# KiCad board KeeNoard-SMD.kicad_pcb
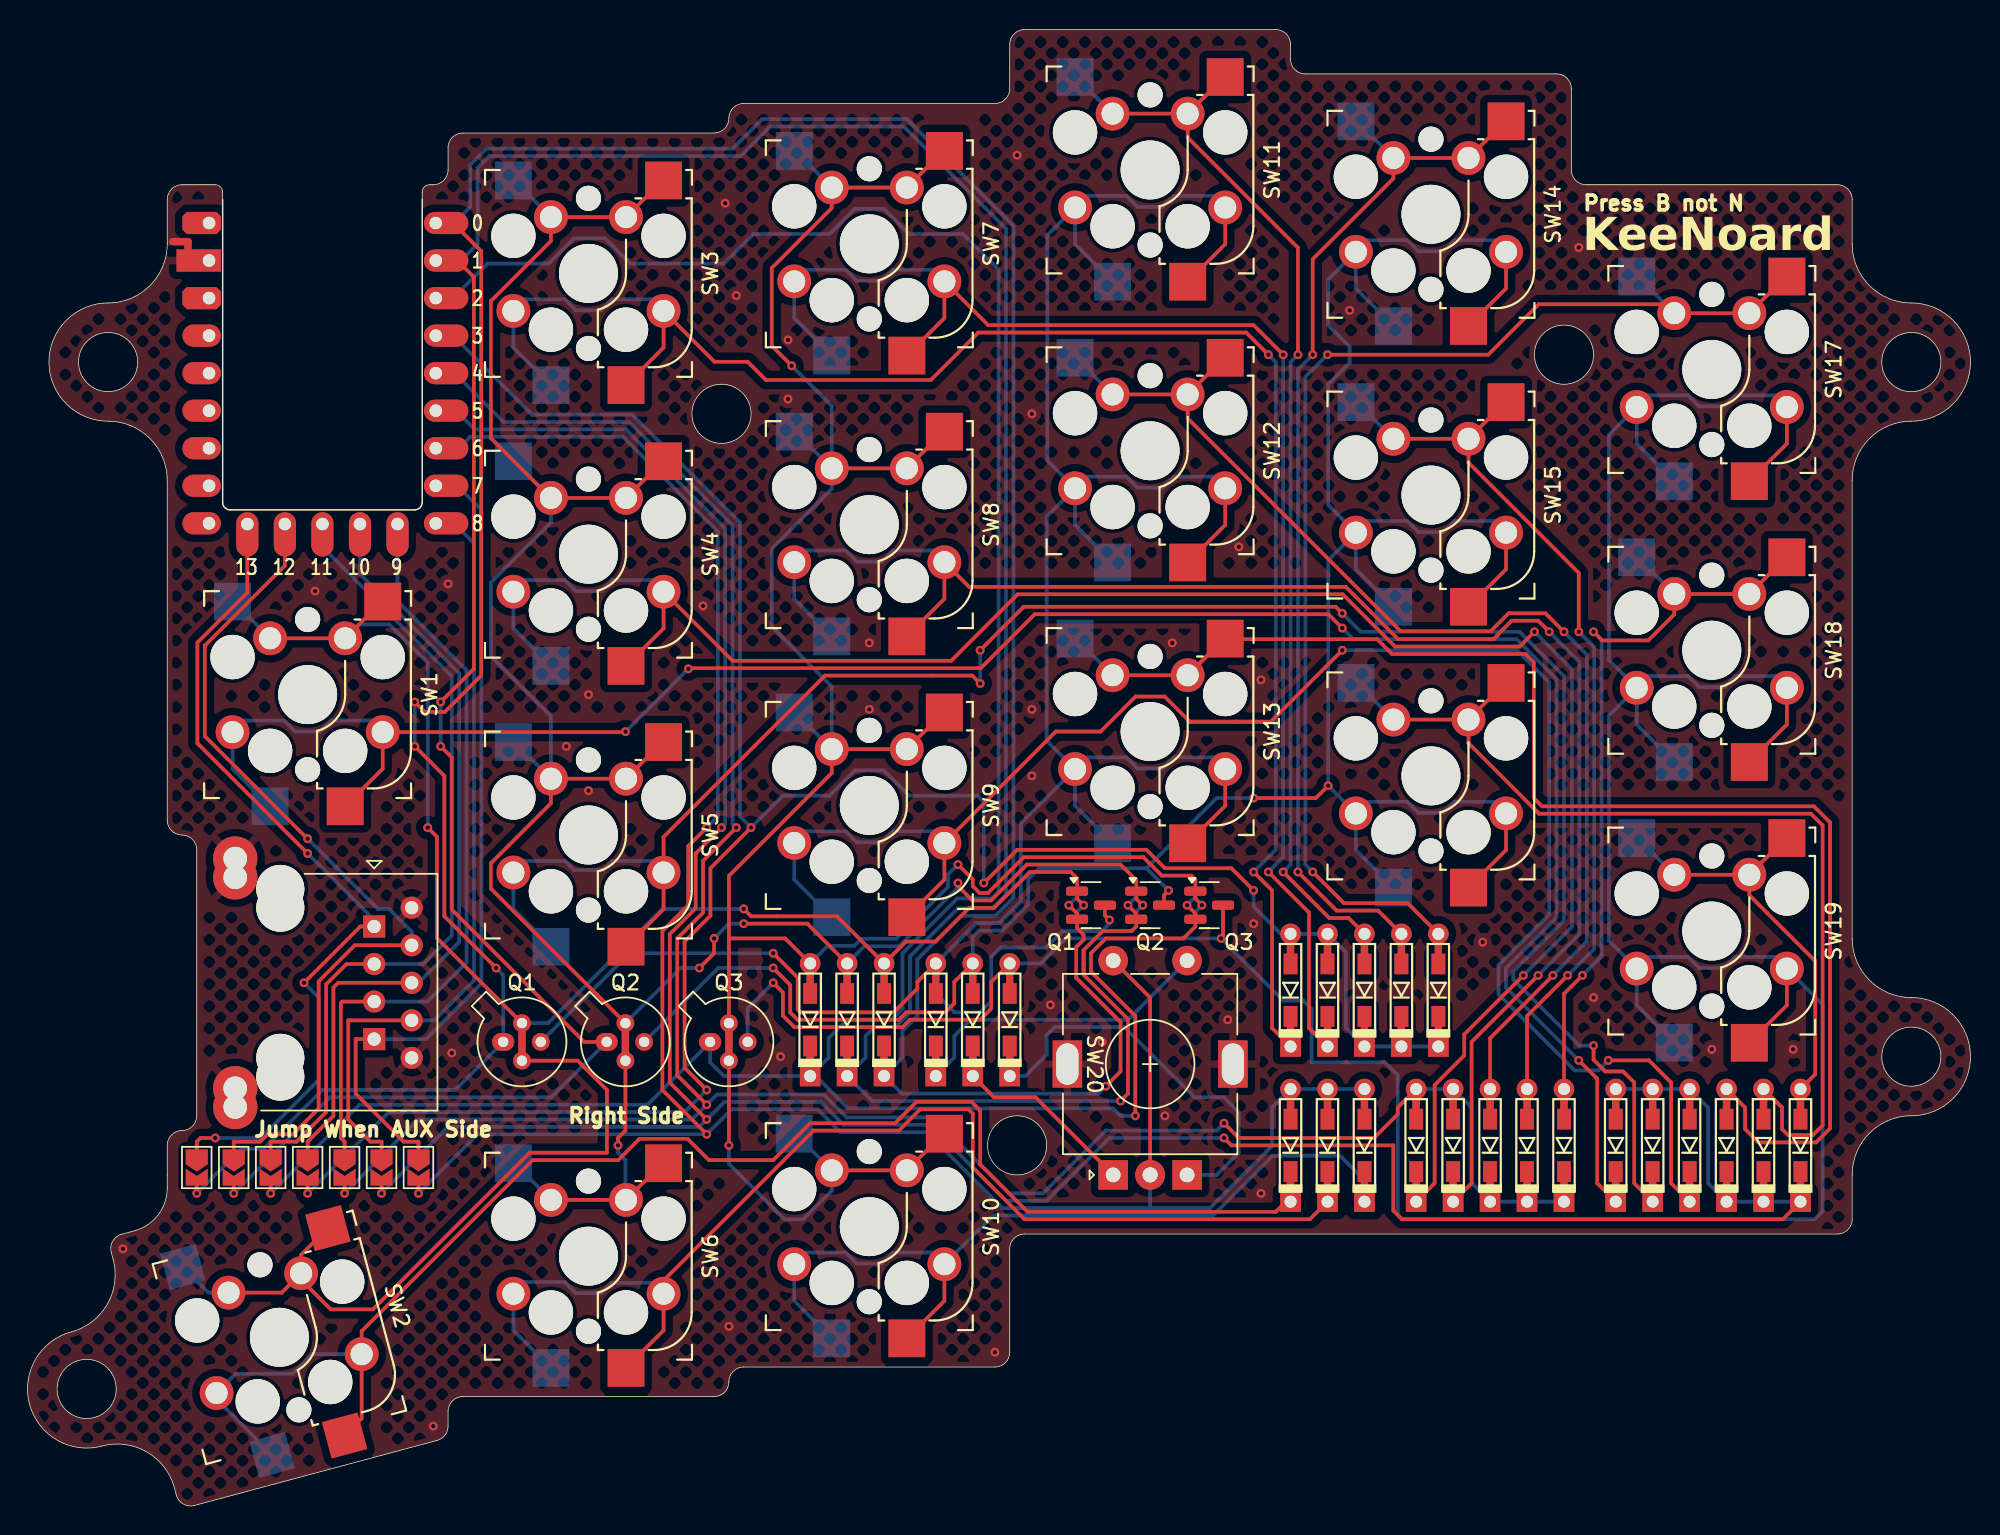
[diagram p0: board, top side]
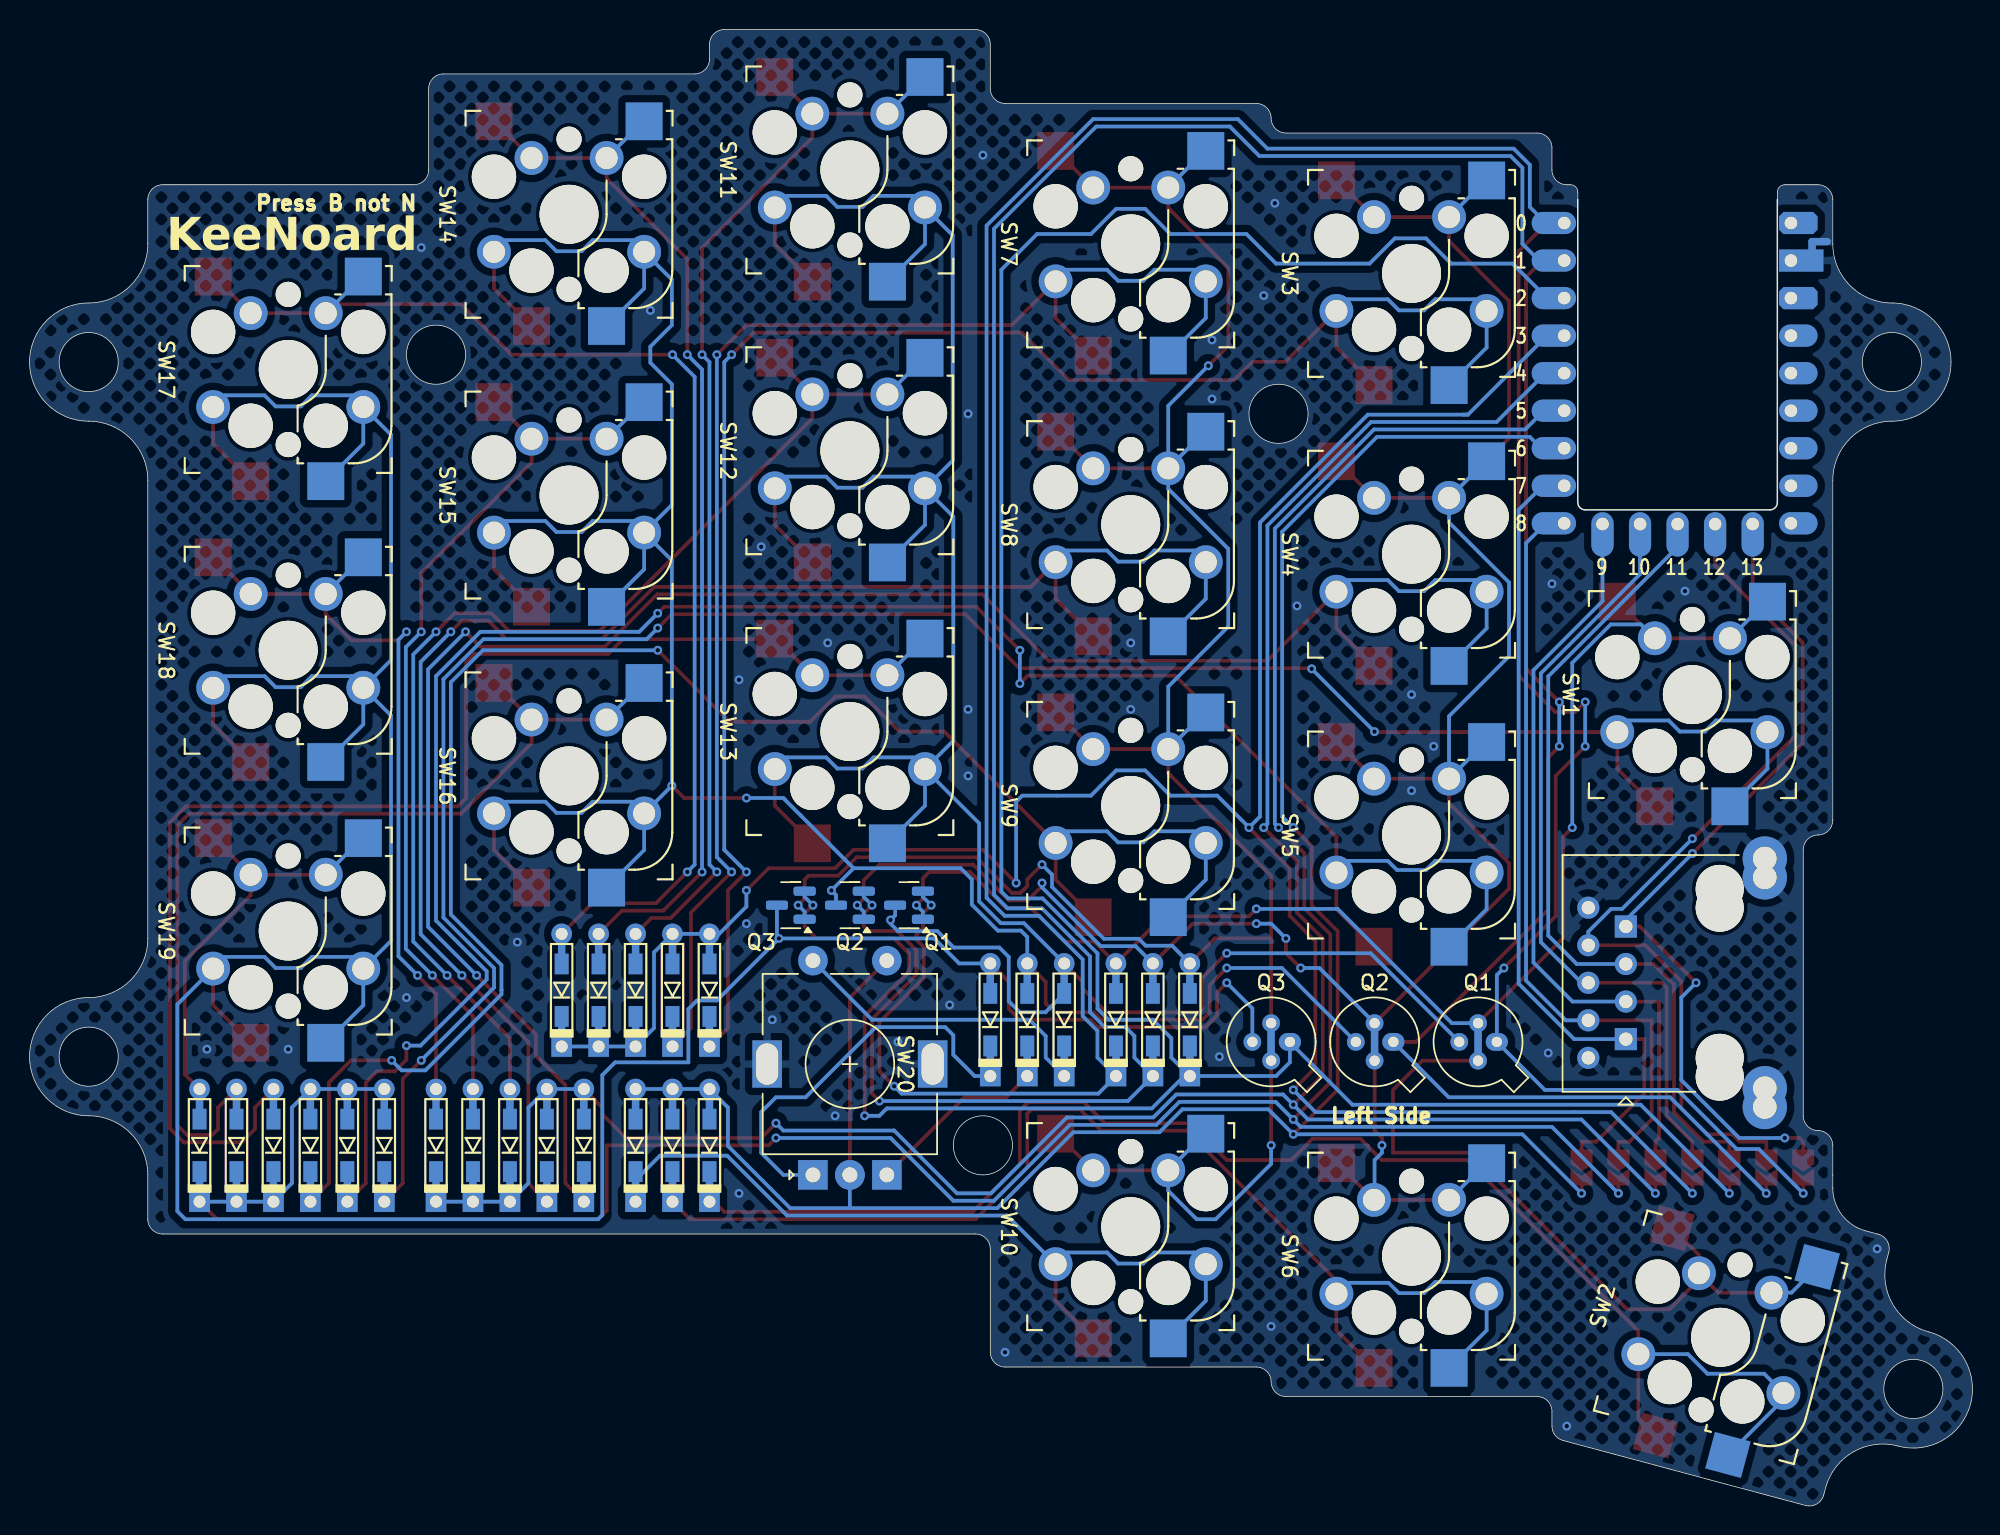
[diagram p1: board, bottom side, seen from below]

Outline 131.45 x 99.9 mm; copper layers: Top, Bottom. Coordinates in mm from the lower left corner of the outline.
Outline path: circle c4,7.92 r2 ; circle c5.45,77.4 r2 ; circle c46.95,73.9 r2 ; circle c66.95,24.4 r2 ; circle c103.95,77.9 r2 ; circle c127.45,77.4 r2 ; circle c127.45,30.4 r2 ; 13.2,88.4 13.2,88.9 arc(13.05,89.25) 12.7,89.4 10.45,89.4 arc(9.74,89.11) 9.45,88.4 9.45,85.4 arc(8.28,82.57) 5.45,81.4 arc(1.45,77.4) 5.45,73.4 arc(8.28,72.23) 9.45,69.4 9.45,46.4 arc(9.74,45.69) 10.45,45.4 arc(11.16,45.11) 11.45,44.4 11.45,26.4 arc(11.16,25.69) 10.45,25.4 arc(9.74,25.11) 9.45,24.4 9.45,21.51 arc(8.83,19.69) 7.23,18.62 6.37,18.39 arc(5.76,17.92) 5.66,17.16 5.79,16.68 arc(5.39,13.64) 2.96,11.78 arc(0.14,6.88) 5.04,4.05 arc(8.07,3.65) 9.93,1.22 10.06,0.74 arc(10.53,0.13) 11.29,0.03 27.71,4.43 arc(28.24,4.79) 28.45,5.4 28.45,6.4 arc(28.74,7.11) 29.45,7.4 46.45,7.4 arc(47.16,7.69) 47.45,8.4 arc(47.74,9.11) 48.45,9.4 65.45,9.4 arc(66.16,9.69) 66.45,10.4 66.45,17.4 arc(66.74,18.11) 67.45,18.4 122.45,18.4 arc(123.16,18.69) 123.45,19.4 123.45,22.4 arc(124.62,25.23) 127.45,26.4 arc(131.45,30.4) 127.45,34.4 arc(124.62,35.57) 123.45,38.4 123.45,69.4 arc(124.62,72.23) 127.45,73.4 arc(131.45,77.4) 127.45,81.4 arc(124.62,82.57) 123.45,85.4 123.45,88.4 arc(123.16,89.11) 122.45,89.4 105.45,89.4 arc(104.74,89.69) 104.45,90.4 104.45,95.9 arc(104.16,96.61) 103.45,96.9 86.45,96.9 arc(85.74,97.19) 85.45,97.9 85.45,98.9 arc(85.16,99.61) 84.45,99.9 67.45,99.9 arc(66.74,99.61) 66.45,98.9 66.45,95.9 arc(66.16,95.19) 65.45,94.9 48.45,94.9 arc(47.74,94.61) 47.45,93.9 arc(47.16,93.19) 46.45,92.9 29.45,92.9 arc(28.74,92.61) 28.45,91.9 28.45,90.4 arc(28.16,89.69) 27.45,89.4 27.2,89.4 arc(26.85,89.25) 26.7,88.9 26.7,88.4
Stack: Top 0.035mm / dielectric 1.51mm FR4 er 4.5 / Bottom 0.035mm

## Placement (name value [footprint] x y rotation side)
D1  D  [Diode_TH_SMD_REVERSIBLE]  107.45 24.4 90 bottom
D2  D  [Diode_TH_SMD_REVERSIBLE]  85.45 24.4 90 bottom
D3  D  [Diode_TH_SMD_REVERSIBLE]  85.45 34.9 90 top
D4  D  [Diode_TH_SMD_REVERSIBLE]  93.95 24.4 90 top
D5  D  [Diode_TH_SMD_REVERSIBLE]  109.95 24.4 90 top
D6  D  [Diode_TH_SMD_REVERSIBLE]  87.95 24.4 90 top
D7  D  [Diode_TH_SMD_REVERSIBLE]  87.95 34.9 90 top
D8  D  [Diode_TH_SMD_REVERSIBLE]  96.45 24.4 90 top
D9  D  [Diode_TH_SMD_REVERSIBLE]  112.45 24.4 90 top
D10  D  [Diode_TH_SMD_REVERSIBLE]  90.45 24.4 90 top
D11  D  [Diode_TH_SMD_REVERSIBLE]  90.45 34.9 90 top
D12  D  [Diode_TH_SMD_REVERSIBLE]  98.95 24.4 90 bottom
D13  D  [Diode_TH_SMD_REVERSIBLE]  114.95 24.4 90 top
D14  D  [Diode_TH_SMD_REVERSIBLE]  92.95 34.9 90 top
D15  D  [Diode_TH_SMD_REVERSIBLE]  101.45 24.4 90 bottom
D16  D  [Diode_TH_SMD_REVERSIBLE]  117.45 24.4 90 top
D17  D  [Diode_TH_SMD_REVERSIBLE]  95.45 34.9 90 top
D18  D  [Diode_TH_SMD_REVERSIBLE]  103.95 24.4 90 bottom
D19  D  [Diode_TH_SMD_REVERSIBLE]  119.95 24.4 90 top
D+1  D  [Diode_TH_SMD_REVERSIBLE]  57.95 32.9 90 top
D+2  D  [Diode_TH_SMD_REVERSIBLE]  55.45 32.9 90 top
D+3  D  [Diode_TH_SMD_REVERSIBLE]  52.95 32.9 90 top
D++1  D  [Diode_TH_SMD_REVERSIBLE]  61.45 32.9 90 bottom
D++2  D  [Diode_TH_SMD_REVERSIBLE]  63.95 32.9 90 bottom
D++3  D  [Diode_TH_SMD_REVERSIBLE]  66.45 32.9 90 bottom
J2_RECV1  8P8C_Shielded  [RJ45_Ninigi_GE_REVERSIBLE]  23.49 35.4 270 top
JP1  SolderJumper  [SolderJumper-2_P1.3mm_Open_TrianglePad1.0x1.5mm]  11.45 22.9 270 top
JP2  SolderJumper  [SolderJumper-2_P1.3mm_Open_TrianglePad1.0x1.5mm]  13.95 22.9 270 top
JP3  SolderJumper  [SolderJumper-2_P1.3mm_Open_TrianglePad1.0x1.5mm]  16.45 22.9 270 top
JP4  SolderJumper  [SolderJumper-2_P1.3mm_Open_TrianglePad1.0x1.5mm]  18.95 22.9 270 top
JP5  SolderJumper  [SolderJumper-2_P1.3mm_Open_TrianglePad1.0x1.5mm]  21.45 22.9 270 top
JP6  SolderJumper  [SolderJumper-2_P1.3mm_Open_TrianglePad1.0x1.5mm]  23.95 22.9 270 top
JP7  SolderJumper  [SolderJumper-2_P1.3mm_Open_TrianglePad1.0x1.5mm]  26.45 22.9 270 top
Q1  PNP  [TO-18-3-PNP_REVERSIBLE]  33.45 31.4 0 top
Q1#2  PNP  [SOT-23-PNP_REVERSIBLE]  71.95 40.65 0 top
Q2  PNP  [TO-18-3-PNP_REVERSIBLE]  40.45 31.4 0 top
Q2#2  PNP  [SOT-23-PNP_REVERSIBLE]  75.95 40.65 0 top
Q3  PNP  [SOT-23-PNP_REVERSIBLE]  79.95 40.65 0 top
Q3#2  PNP  [TO-18-3-PNP_REVERSIBLE]  47.45 31.4 0 top
SW1  SW_Push  [Kailh_socket_MX_optional_reversible]  18.95 54.9 270 top
SW2  SW_Push  [Kailh_socket_MX_optional_reversible]  17.04 11.41 285 top
SW3  SW_Push  [Kailh_socket_MX_optional_reversible]  37.95 83.4 270 top
SW4  SW_Push  [Kailh_socket_MX_optional_reversible]  37.95 64.4 270 top
SW5  SW_Push  [Kailh_socket_MX_optional_reversible]  37.95 45.4 270 top
SW6  SW_Push  [Kailh_socket_MX_optional_reversible]  37.95 16.9 270 top
SW7  SW_Push  [Kailh_socket_MX_optional_reversible]  56.95 85.4 270 top
SW8  SW_Push  [Kailh_socket_MX_optional_reversible]  56.95 66.4 270 top
SW9  SW_Push  [Kailh_socket_MX_optional_reversible]  56.95 47.4 270 top
SW10  SW_Push  [Kailh_socket_MX_optional_reversible]  56.95 18.9 270 top
SW11  SW_Push  [Kailh_socket_MX_optional_reversible]  75.95 90.4 270 top
SW12  SW_Push  [Kailh_socket_MX_optional_reversible]  75.95 71.4 270 top
SW13  SW_Push  [Kailh_socket_MX_optional_reversible]  75.95 52.4 270 top
SW14  SW_Push  [Kailh_socket_MX_optional_reversible]  94.95 87.4 270 top
SW15  SW_Push  [Kailh_socket_MX_optional_reversible]  94.95 68.4 270 top
SW16  SW_Push  [Kailh_socket_MX_optional_reversible]  94.95 49.4 270 top
SW17  SW_Push  [Kailh_socket_MX_optional_reversible]  113.95 76.9 270 top
SW18  SW_Push  [Kailh_socket_MX_optional_reversible]  113.95 57.9 270 top
SW19  SW_Push  [Kailh_socket_MX_optional_reversible]  113.95 38.9 270 top
SW20  RotaryEncoder_Switch  [RotaryEncoder_Alps_EC11E-Switch_Vertical_H20mm_REVERSIBLE]  75.95 29.9 90 top
U1  RP2040-Zero  [RP2040-Zero-OPTIMIZED]  19.95 76.65 0 top

## Library data of the parts
D1-D19 D+1-D+3 D++1-D++3 = -: Description: Diode; Sim.Pins: 1=K 2=A; ki_fp_filters: TO-???* *_Diode_* *SingleDiode* D_*
J2_RECV1 = -: Description: RJ connector, 8P8C (8 positions 8 connected), RJ31/RJ32/RJ33/RJ34/RJ35/RJ41/RJ45/RJ49/RJ61, Shielded; ki_fp_filters: 8P8C* RJ31* RJ32* RJ33* RJ34* RJ35* RJ41* RJ45* RJ49* RJ61*
JP1-JP7 = -: Description: Solder Jumper, 2-pole, open; ki_fp_filters: SolderJumper*Open*
Q1 Q1#2 Q2 Q2#2 Q3 Q3#2 = -: Datasheet: https://ngspice.sourceforge.io/docs/ngspice-html-manual/manual.xhtml#cha_BJTs; Description: Bipolar transistor symbol for simulation only, substrate tied to the emitter; Sim.Type: GUMMELPOON; Sim.Pins: 1=C 2=B 3=E
SW1-SW19 = -: Description: Push button switch, generic, two pins
SW20 = -: Description: Rotary encoder, dual channel, incremental quadrate outputs, with switch; ki_fp_filters: RotaryEncoder*Switch*

## Footprints (pads in the part's own frame, mm; a bottom-side part is the same pattern mirrored in y, then rotated)
Diode_TH_SMD_REVERSIBLE
  rect 1.397x1.397 hole 0.813: 1(-3.81,0)
  rect 2x0.5 smd: 1(-2.75,0) 2(2.75,0)
  rect 2x0.5 smd far side: 1(-2.75,0) 2(2.75,0)
  rect 1.4x0.94 smd: 1(-1.775,0) 2(1.775,0)
  rect 1.4x0.94 smd far side: 1(-1.775,0) 2(1.775,0)
  round 1.397 hole 0.813: 2(3.81,0)
Kailh_socket_MX_optional_reversible
  round 1.702 hole 1.702 unplated: (-5.08,0) (5.08,0)
  round 3 hole 3 unplated: (-2.54,5.08) (-2.54,-5.08) (3.81,2.54) (3.81,-2.54)
  round 3.988 hole 3.988 unplated: (0,0)
  rect 2.55x2.5 smd: 1(-6.29,5.08) 2(7.56,2.54)
  rect 2.55x2.5 smd far side: 1(-6.29,-5.08) 2(7.56,-2.54)
  round 2.286 hole 1.499: 1(-3.81,2.54) 1(-3.81,-2.54) 2(2.54,5.08) 2(2.54,-5.08)
RJ45_Ninigi_GE_REVERSIBLE
  round 3.25 hole 3.25 unplated: (-6.35,-6.39) (-5.08,-6.39) (5.08,-6.39) (6.35,-6.39)
  rect 1.5x1.5 hole 0.9: 1(-3.81,-0.04) 7(3.81,-0.04)
  round 1.5 hole 0.9: 2(-2.54,2.5) 3(-1.27,-0.04) 4(0,2.5) 5(1.27,-0.04) 6(2.54,2.5) 8(-5.08,2.5) 8(5.08,2.5)
  round 3 hole 1.6: SH(-8.405,-9.44) SH(-7.135,-9.44) SH(7.135,-9.44) SH(8.405,-9.44)
RotaryEncoder_Alps_EC11E-Switch_Vertical_H20mm_REVERSIBLE
  rect 2x2 hole 1: A(-7.5,2.5) B(-7.5,-2.5)
  round 2 hole 1: C(-7.5,0) C(-7.5,0) S1(7,-2.5) S2(7,2.5)
  rect 3.2x2 hole 2.8x1.5: MP(0,5.6) MP(0,-5.6)
RP2040-Zero-OPTIMIZED
  oval 3x1.5 hole 0.85: 0(7.67,10.16) 1(7.67,7.62) 2(7.67,5.08) 3(7.67,2.54) 4(7.67,0) 5(7.67,-2.54) 6(7.67,-5.08) 7(7.67,-7.62) 8(7.67,-10.16)
  oval 1.5x3 hole 0.85: 9(5.08,-10.21) 10(2.54,-10.21) 11(0,-10.21) 12(-2.54,-10.21) 13(-5.08,-10.21)
  oval 2.6x1.5 hole 0.85: 14(-7.67,-10.16) 15(-7.67,-7.62) 26(-7.67,-5.08) 27(-7.67,-2.54) 28(-7.67,0) 29(-7.67,2.54)
  rrect 2.6x1.5 hole 0.85: 30(-7.67,5.08) 32(-7.67,10.16)
  rect 3x1.5 hole 0.85: 31(-7.67,7.62)
SolderJumper-2_P1.3mm_Open_TrianglePad1.0x1.5mm
  custom 1.5x1.5 smd: 1(-0.725,0)
  custom 1.15x1.5 smd: 2(0.725,0)
SOT-23-PNP_REVERSIBLE
  rrect 1.475x0.6 smd: 1(0.938,0) 1(0.938,0) 2(-0.938,0.95) 2(-0.938,0.95) 3(-0.938,-0.95) 3(-0.938,-0.95)
  rrect 1.475x0.6 smd far side: 1(0.938,0) 1(0.938,0) 2(-0.938,-0.95) 2(-0.938,-0.95) 3(-0.938,0.95) 3(-0.938,0.95)
TO-18-3-PNP_REVERSIBLE
  round 1.2 hole 0.7: 1(1.27,0) 2(0,1.27) 2(0,-1.27)
  rect 0.5x2 smd: 2(0,0)
  rect 0.5x2 smd far side: 2(0,0)
  oval 1.5x1.2 hole 0.7: 3(-1.27,0)

## Nets
GND: J2_RECV1.8 J2_RECV1.SH SW20.MP U1.31
COL 1: D+1.1 JP1.2 Q1.3 Q1#2.3 U1.0
COL 1 RX: D+1.2 Q1.2 Q1#2.2 SW1.1 SW2.1
COL 1 TX: D++1.2 Q1.1 Q1#2.1 SW11.2 SW12.2 SW13.2
COL 2: D+2.1 JP2.2 Q2.3 Q2#2.3 U1.1
COL 2 RX: D+2.2 Q2.2 Q2#2.2 SW3.1 SW4.1 SW5.1 SW6.1
COL 2 TX: D++2.2 Q2.1 Q2#2.1 SW14.2 SW15.2 SW16.2
COL 3: D+3.1 JP3.2 Q3.3 Q3#2.3 U1.2
COL 3 RX: D+3.2 Q3.2 Q3#2.2 SW7.1 SW8.1 SW9.1 SW10.1
COL 3 TX: D++3.2 Q3.1 Q3#2.1 SW17.2 SW18.2 SW19.2
COL RECV 1: J2_RECV1.1 JP1.1 U1.13
COL RECV 2: J2_RECV1.2 JP2.1 U1.12
COL RECV 3: J2_RECV1.3 JP3.1 U1.11
COL SEND 1: J2_RECV1.7 JP7.1 U1.7
COL SEND 2: J2_RECV1.6 JP6.1 U1.8
COL SEND 3: J2_RECV1.5 JP5.1 U1.9
ROW 1: D3.2 D7.2 D11.1 D14.1 D17.1 JP4.2 U1.3
ROW 2: D4.2 D8.2 D12.1 D15.1 D18.1 JP5.2 U1.4
ROW 3: D1.2 D5.2 D9.2 D13.1 D16.1 D19.1 JP6.2 U1.5
ROW 4: D2.2 D6.2 D10.2 JP7.2 SW20.C SW20.S2 U1.6
ROW RECV 1: J2_RECV1.4 JP4.1 U1.10
Net-(D1-K): D1.1 SW1.2
Net-(D2-K): D2.1 SW2.2
Net-(D3-K): D3.1 SW3.2
Net-(D4-K): D4.1 SW4.2
Net-(D5-K): D5.1 SW5.2
Net-(D6-K): D6.1 SW6.2
Net-(D7-K): D7.1 SW7.2
Net-(D8-K): D8.1 SW8.2
Net-(D9-K): D9.1 SW9.2
Net-(D10-K): D10.1 SW10.2
Net-(D11-A): D11.2 SW11.1
Net-(D12-A): D12.2 SW12.1
Net-(D13-A): D13.2 SW13.1
Net-(D14-A): D14.2 SW14.1
Net-(D15-A): D15.2 SW15.1
Net-(D16-A): D16.2 SW16.1
Net-(D17-A): D17.2 SW17.1
Net-(D18-A): D18.2 SW18.1
Net-(D19-A): D19.2 SW19.1
Net-(D++1-K): D++1.1 SW20.S1
Net-(D++2-K): D++2.1 SW20.A
Net-(D++3-K): D++3.1 SW20.B

Pads without a net: U1 14 15 26 27 28 29 30 32

## Via types
v1: diameter 0.6, hole 0.3, Top to Bottom, 122 vias

## Routing (per net, layer and track width the routed paths; a pad name or vN(x,y) marks a point on that pad's centre or on a via; arc(x,y) is an arc through that point)
GND: length 4.5
  Top w0.5: 9.83,85.55 10.85,85.55 10.85,84.3
  Bottom w0.5: 9.83,85.55 10.85,85.55 10.85,84.3
  vias: v1(6.45,17.4) v1(19.45,61.9) v1(27.45,5.4) v1(28.45,62.4) v1(28.7,30.65) v1(36.45,51.4) v1(37.95,54.9) v1(37.95,48.4) v1(45.7,60.9) v1(47.2,88.15) v1(47.45,12.15) v1(47.95,81.9) v1(50.95,30.4) v1(51.45,78.9) v1(51.45,74.9) v1(56.95,58.4) v1(56.95,53.9) v1(65.45,10.4) v1(66.95,91.4) v1(67.95,73.9) v1(67.95,53.9) v1(67.95,49.4) v1(69.2,33.9) v1(72.7,31.4) v1(76.95,26.4) v1(77.45,58.4) v1(81.2,32.9) v1(81.95,64.9) v1(82.95,39.4) v1(83.45,55.9) v1(83.45,21.15) v1(89.45,80.9) v1(98.45,38.15) v1(104.95,85.15) v1(105.95,34.4) v1(113.95,30.9) v1(119.45,30.9)
COL 1: length 230.5
  Top w0.25: v1(31.7,36.4) 28.2,39.9 28.2,49.4 v1(26.2,51.4) ; v1(72.95,28.4) 73.95,29.4 73.95,32.73 70.95,35.73 70.95,37.81 71.45,38.32 71.45,38.65 71.01,39.09 Q1#2.3 71.01,40.09 v1(70.45,40.65) ; v1(26.2,54.4) 26.88,53.72 28.23,53.72 30.7,56.19 30.7,84.9 28.79,86.81 U1.0 ; JP1.2 v1(11.45,21.15)
  Bottom w0.25: U1.0 28.86,86.81 29.95,87.9 29.95,90.75 31.04,91.84 47.7,91.84 49.7,93.84 59.49,93.84 66.7,86.63 66.7,41.15 65.48,39.93 63.15,39.93 60.2,36.98 60.2,33.4 ; v1(26.2,54.4) v1(26.2,51.4) ; 60.2,33.4 60.2,33.15 59.2,32.15 59.2,30.34 D+1.1 59.14,27.9 72.45,27.9 v1(72.95,28.4) ; 60.2,33.4 60.2,33.4 ; v1(70.45,40.65) 71.01,41.21 Q1#2.3 ; v1(31.7,36.4) 32.18,35.92 Q1.3 28.93,28.15 19.95,28.15 15.95,24.15 14.45,24.15 v1(11.45,21.15)
COL 1 RX: length 144.7
  Top w0.25: SW2.1 18.51,16.99 SW2.1 ; SW2.1 18.51,15.31 20.51,13.3 23.37,13.3 33.97,23.9 39.2,23.9 39.2,28.15 37.22,30.13 Q1.2 ; SW2.1 17.19,14.43 SW2.1 ; Q1.2 27.7,38.42 27.7,45.28 v1(27.08,45.9) ; SW1.1 23.97,61.19 SW1.1 SW1.1 ; v1(71.45,40.65) 71.01,41.09 Q1#2.2 71.01,42.46 70.58,42.9 67.82,42.9 65.4,40.47 63.71,40.47 61.43,38.19 59.43,38.19 D+1.2 54.76,39.9 48.95,39.9 v1(48.45,40.4)
  Bottom w0.25: v1(71.45,40.65) 71.01,40.21 Q1#2.2 ; Q1.2 35.22,32.67 42.95,40.4 v1(48.45,40.4) ; SW1.1 22.43,59.65 24.47,59.65 27.08,57.05 v1(27.08,45.9) ; SW2.1 12.24,14.43 SW2.1 ; SW1.1 13.93,61.19 SW1.1
COL 1 TX: length 182.7
  Top w0.25: Q1#2.1 72.89,39.96 v1(73.2,39.65) ; SW11.2 81.03,85.38 SW11.2 ; SW12.2 81.03,66.38 SW12.2 ; SW13.2 81.03,47.38 SW13.2 ; v1(50.45,37.4) 52.1,35.75 52.1,33.6 52.3,33.4 58.6,33.4 60.2,35 60.2,35.46 D++1.2
  Bottom w0.25: SW12.2 80.24,69.65 77.55,69.65 76.8,68.9 75.1,68.9 74.35,69.65 71.66,69.65 SW12.2 ; SW13.2 71.66,50.65 74.35,50.65 75.1,49.9 76.8,49.9 77.55,50.65 80.24,50.65 SW13.2 ; SW13.2 68.95,51.78 68.95,66.94 SW12.2 ; SW13.2 67.2,46.19 67.2,40.94 67.2,40.94 67.2,40.9 65.73,39.43 64.17,39.43 D++1.2 ; SW13.2 70.87,47.38 SW13.2 ; SW12.2 70.87,66.38 SW12.2 ; SW12.2 68.99,70.74 68.99,85.98 SW11.2 ; SW11.2 70.87,85.38 SW11.2 ; Q1.1 40.72,37.4 v1(50.45,37.4) ; SW11.2 71.66,88.65 74.35,88.65 75.1,87.9 76.8,87.9 77.55,88.65 80.24,88.65 SW11.2 ; Q1#2.1 72.89,39.96 v1(73.2,39.65) 73.2,39.4 72.7,38.9 70.04,38.9 68.92,37.78 65.83,37.78 65.2,37.15 65.2,34.15 64.45,33.4 62.7,33.4 62.7,33.42 D++1.2
COL 2: length 243.6
  Top w0.25: v1(73.95,27.4) 74.45,27.9 74.45,32.94 71.45,35.94 ; U1.1 29.08,84.27 30.2,83.15 30.2,56.65 v1(27.95,54.4) ; Q2.3 37.66,31.4 28.7,40.36 28.7,50.65 v1(27.95,51.4) ; 71.45,35.94 71.45,36.65 71.45,36.65 71.45,37.61 ; 71.45,35.94 71.45,37.61 ; 71.45,37.61 72.74,38.9 74.7,38.9 75.01,39.21 Q2#2.3 75.01,40.09 v1(74.45,40.65) ; JP2.2 v1(13.95,21.15)
  Bottom w0.25: U1.1 29.32,84.27 30.45,85.4 30.45,90.55 31.24,91.34 48.24,91.34 50.24,93.34 59.28,93.34 66.2,86.42 66.2,41.36 65.27,40.43 62.95,40.43 59.7,37.19 59.7,33.4 58.7,32.4 57.3,32.4 56.7,31.8 56.7,30.34 D+2.1 57.14,27.4 v1(73.95,27.4) ; v1(13.95,21.15) 20.45,27.65 35.43,27.65 Q2.3 ; Q2#2.3 75.01,41.21 v1(74.45,40.65) ; v1(27.95,54.4) v1(27.95,51.4)
COL 2 RX: length 172
  Top w0.25: SW3.1 42.97,89.69 SW3.1 SW3.1 35.41,85.59 31.35,81.53 31.35,72.25 35.39,68.21 SW4.1 SW4.1 42.97,70.69 SW4.1 ; v1(75.45,40.65) 75.01,41.09 Q2#2.2 75.01,42.34 73.95,43.4 67.61,43.4 65.19,40.97 63.92,40.97 62.95,41.94 v1(62.95,42.15) ; SW6.1 42.97,23.19 SW6.1 SW6.1 ; D+2.2 52.76,39.4 v1(48.45,39.4) ; SW5.1 42.97,51.69 SW5.1 SW5.1 35.41,47.55 31.35,43.49 31.35,41.77 Q2.2 ; v1(46.45,38.4) 46.45,37.4 v1(45.45,36.4) ; v1(39.95,24.4) 39.95,24.9 40.45,25.4 Q2.2
  Bottom w0.25: SW6.1 32.93,23.19 SW6.1 ; v1(75.45,40.65) 75.01,40.21 Q2#2.2 ; v1(46.45,38.4) 47.45,39.4 v1(48.45,39.4) ; SW4.1 32.93,70.69 SW4.1 35.41,66.55 31.35,62.49 31.35,57.5 35.41,53.44 SW5.1 32.93,51.69 SW5.1 ; SW6.1 40.45,20.75 40.45,23.4 39.95,23.9 v1(39.95,24.4) ; SW3.1 32.93,89.69 SW3.1 ; D+2.2 56.62,37.88 58.97,37.88 62.95,41.86 v1(62.95,42.15) ; Q2.2 44.18,36.4 v1(45.45,36.4)
COL 2 TX: length 177.8
  Top w0.25: v1(50.45,36.4) 51.6,35.25 51.6,33.39 52.09,32.9 58.95,32.9 59.45,33.4 62.1,33.4 62.7,34 62.7,35.46 D++2.2 ; v1(87.99,48.74) 87.16,47.9 v1(82.95,47.9) ; SW15.2 100.03,63.38 SW15.2 ; SW16.2 100.03,44.38 SW16.2 ; v1(77.2,41.65) 76.89,41.34 Q2#2.1 ; SW14.2 100.03,82.38 SW14.2
  Bottom w0.25: SW14.2 90.66,85.65 93.35,85.65 94.1,84.9 95.8,84.9 96.55,85.65 99.24,85.65 SW14.2 ; SW14.2 87.99,82.98 87.99,79.9 89.45,78.44 89.45,77.36 87.99,75.9 87.99,67.74 SW15.2 ; SW14.2 89.87,82.38 SW14.2 ; SW15.2 90.66,66.65 93.35,66.65 94.1,65.9 95.8,65.9 96.55,66.65 99.24,66.65 SW15.2 ; SW15.2 87.99,63.98 v1(87.99,48.74) SW16.2 ; SW15.2 89.87,63.38 SW15.2 ; D++2.2 63.95,38.5 64.38,38.93 65.94,38.93 67.7,40.69 67.7,40.73 67.7,40.74 67.7,42.4 68.45,43.15 75.7,43.15 ; 75.7,43.15 v1(77.2,41.65) 76.89,41.34 Q2#2.1 ; 75.7,43.15 79.26,46.71 79.27,46.71 80.37,47.81 80.37,47.82 80.45,47.9 v1(82.95,47.9) ; SW16.2 90.66,47.65 93.35,47.65 94.1,46.9 95.8,46.9 96.55,47.65 99.24,47.65 SW16.2 ; SW16.2 89.87,44.38 SW16.2 ; Q2.1 46.72,36.4 v1(50.45,36.4)
COL 3: length 196.2
  Top w0.25: v1(78.45,40.65) 79.01,40.09 Q3.3 79.01,39.21 78.2,38.4 72.95,38.4 71.95,37.4 71.95,36.15 74.95,33.15 v1(74.95,26.4) ; JP3.2 v1(16.45,21.15)
  Bottom w0.25: Q3.3 79.01,41.21 v1(78.45,40.65) ; v1(16.45,21.15) 22.45,27.15 41.95,27.15 46.18,31.38 Q3#2.3 46.18,30.02 47.11,29.09 D+3.1 ; D+3.1 53.33,29.09 55.52,26.9 73.45,26.9 73.95,26.4 v1(74.95,26.4) ; D+3.1 54.2,30.34 54.2,31.65 55.45,32.9 58.45,32.9 59.2,33.65 59.2,37.39 62.91,41.11 65.24,41.11 65.7,41.57 65.7,83.65 63.29,86.06 59.64,86.06 57.93,87.77 55.97,87.77 54.26,86.06 49.11,86.06 47.11,84.06 40.79,84.06 39.08,85.77 36.97,85.77 35.26,84.06 31.11,84.06 28.78,81.73 U1.2
COL 3 RX: length 173.9
  Top w0.25: SW9.1 61.97,53.69 SW9.1 SW9.1 54.41,49.59 47.45,42.63 47.45,38.4 ; v1(79.45,40.65) 79.01,41.09 Q3.2 79.01,42.38 78.74,42.65 76.74,42.65 75.49,43.9 67.41,43.9 64.98,41.47 64.42,41.47 63.95,41.94 63.95,42.4 v1(62.95,43.4) ; SW10.1 SW10.1 61.97,25.19 SW10.1 ; 47.45,38.4 Q3#2.2 ; 47.45,38.4 51.26,38.4 D+3.2 ; v1(51.7,77.15) 50.35,78.5 50.35,83.77 54.41,87.83 SW7.1 SW7.1 61.97,91.69 SW7.1 ; SW8.1 SW8.1 61.97,72.69 SW8.1 ; Q3#2.2 v1(47.45,24.4)
  Bottom w0.25: v1(51.7,77.15) 54.41,74.44 SW8.1 ; SW8.1 51.93,72.69 SW8.1 ; SW8.1 54.41,68.83 50.35,64.77 50.35,59.5 54.41,55.44 SW9.1 51.93,53.69 SW9.1 ; D+3.2 54.15,37.91 55.94,37.91 56.41,38.38 58.77,38.38 62.27,41.89 62.27,42.72 v1(62.95,43.4) ; SW7.1 51.93,91.69 SW7.1 ; Q3.2 79.01,40.21 v1(79.45,40.65) ; SW10.1 51.93,25.19 SW10.1 54.41,21.33 52.48,19.4 51.2,19.4 47.45,23.15 v1(47.45,24.4)
COL 3 TX: length 231.1
  Top w0.25: SW17.2 119.03,71.88 SW17.2 ; v1(80.75,38.4) 80.89,38.54 Q3.1 ; SW18.2 119.03,52.88 SW18.2 ; SW19.2 119.03,33.88 SW19.2 ; v1(50.45,35.4) 51.1,34.75 51.1,33.18 51.89,32.4 59.2,32.4 59.7,32.9 64.45,32.9 65.2,33.65 65.2,35.46 D++3.2
  Bottom w0.25: SW17.2 118.24,75.15 115.55,75.15 114.8,74.4 113.1,74.4 112.35,75.15 109.66,75.15 SW17.2 ; D++3.2 68.56,36.71 70.25,38.4 v1(80.75,38.4) ; SW19.2 108.87,33.88 SW19.2 ; SW19.2 109.66,37.15 112.35,37.15 113.1,36.4 114.8,36.4 115.55,37.15 118.24,37.15 121.45,33.94 121.45,19.94 120.91,19.4 92.99,19.4 92.7,19.69 92.7,29.15 91.83,30.02 86.88,30.02 86.88,33.62 86.3,34.2 84.95,34.2 v1(80.75,38.4) ; SW19.2 106.99,38.24 106.99,53.48 SW18.2 ; SW18.2 106.99,57.24 106.99,72.48 SW17.2 ; SW18.2 108.87,52.88 SW18.2 ; SW18.2 109.66,56.15 112.35,56.15 113.1,55.4 114.8,55.4 115.55,56.15 118.24,56.15 SW18.2 ; v1(80.75,38.4) 80.89,38.54 Q3.1 ; SW17.2 108.87,71.88 SW17.2 ; Q3#2.1 48.72,33.67 v1(50.45,35.4)
COL RECV 1: length 57.3
  Top w0.25: 23.41,39.21 22.51,39.21 v1(18.7,35.4) ; v1(12.7,24.9) 11.7,24.9 11.45,24.65 JP1.1 ; v1(18.95,44.15) 11.49,51.61 11.49,58.42 14.87,61.8 14.87,65.94
  Bottom w0.25: 23.41,39.21 23.41,39.69 v1(18.95,44.15) ; v1(12.7,24.9) 15.78,24.9 19.7,28.82 19.7,34.4 v1(18.7,35.4)
COL RECV 2: length 60.2
  Top w0.25: 17.41,65.94 17.41,63.63 11.99,58.22 11.99,52.09 18.93,45.15 v1(18.95,45.15) ; JP2.1 13.95,24.65 15.74,24.65 16.24,25.15 17.95,25.15 19.7,26.89 19.7,35.49 22.14,37.94 25.95,37.94
  Bottom w0.25: v1(18.95,45.15) 23.7,40.4 24.45,40.4 25.99,38.86 25.99,38.4 26.45,37.94
COL RECV 3: length 54.6
  Top w0.25: 23.41,36.67 21.58,36.67 20.2,35.29 20.2,26.65 18.2,24.65 16.45,24.65 JP3.1
  Bottom w0.25: 19.95,65.94 19.95,64.88 28.7,56.13 28.7,38.6 26.77,36.67 23.91,36.67
COL SEND 1: length 55.7
  Top w0.25: 23.41,31.59 22.2,31.59 22.2,27.9 25.45,24.65 26.45,24.65 JP7.1
  Bottom w0.25: 23.91,31.59 26.95,31.59 30.7,35.34 30.7,67.4 29.07,69.03 U1.7
COL SEND 2: length 52.5
  Top w0.25: JP6.1 23.95,24.65 23.2,24.65 21.7,26.15 21.7,32.86 25.95,32.86
  Bottom w0.25: 26.45,32.86 27.51,32.86 30.2,35.55 30.2,65.15 28.86,66.49 U1.8
COL SEND 3: length 50.8
  Top w0.25: 23.41,34.13 21.29,34.13 21.2,34.03 21.2,24.9 21.45,24.65 JP5.1
  Bottom w0.25: 25.03,65.94 25.03,61.22 29.7,56.55 29.7,36.77 27.06,34.13 23.91,34.13
ROW 1: length 162.8
  Top w0.25: v1(64.7,42.15) 66.95,44.4 75.7,44.4 76.95,43.15 81.45,43.15 v1(82.95,41.65) ; v1(48.95,45.9) 46.2,43.15 46.2,39.94 44.45,38.19 44.45,29.65 v1(45.95,28.15) ; JP4.2 v1(18.95,21.15)
  Bottom w0.25: v1(64.7,42.15) 64.7,47.65 64.29,48.06 59.64,48.06 57.93,49.77 55.97,49.77 54.26,48.06 51.09,48.06 48.95,45.92 v1(48.95,45.9) 48.2,46.65 48.2,66.55 40.9,73.84 34.45,73.84 ; 34.13,73.84 34.45,73.84 ; 34.45,73.84 34.13,73.84 28.78,79.19 U1.3 ; v1(82.95,41.65) 82.95,40.55 84.8,38.71 D3.2 D7.2 89.2,37.46 89.2,32.34 D11.1 D17.1 ; v1(45.95,28.15) 44.45,26.65 26.95,26.65 26.95,26.65 24.45,26.65 v1(18.95,21.15)
ROW 2: length 165.4
  Top w0.25: v1(80.95,25.9) 81.95,24.9 91.1,24.9 92.7,26.5 92.7,26.96 D4.2 ; v1(47.95,45.9) 45.7,43.65 45.7,40.15 43.95,38.4 43.95,29.15 v1(45.95,27.15) ; JP5.2 v1(21.45,21.15)
  Bottom w0.25: v1(21.45,21.15) 26.45,26.15 44.95,26.15 v1(45.95,27.15) 46.64,27.84 53.87,27.84 55.42,26.29 61.27,26.29 66.41,21.15 68.7,21.15 72.95,25.4 72.99,25.4 80.45,25.4 v1(80.95,25.9) ; v1(47.95,45.9) 47.7,46.15 47.7,66.34 40.7,73.34 32.2,73.34 28.89,76.65 U1.4 ; D18.1 D12.1 97.7,21.84 97.7,26.96 D8.2 D4.2
ROW 3: length 193.6
  Top w0.25: v1(45.95,26.15) 43.45,28.65 43.45,38.69 45.2,40.44 45.2,44.15 v1(46.95,45.9) ; v1(80.95,24.9) 81.45,24.4 92.41,24.4 92.41,19.98 92.99,19.4 118.76,19.4 D19.1 ; JP6.2 v1(23.95,21.15)
  Bottom w0.25: D1.2 D9.2 113.7,26.96 113.7,21.84 D13.1 D19.1 ; v1(46.95,45.9) 47.2,46.15 47.2,66.13 40.49,72.84 30.26,72.84 28.99,74.11 U1.5 ; v1(23.95,21.15) 28.45,25.65 45.45,25.65 v1(45.95,26.15) 47.14,27.34 53.66,27.34 55.21,25.79 61.06,25.79 66.2,20.65 68.95,20.65 73.2,24.9 v1(80.95,24.9)
ROW 4: length 158.4
  Top w0.25: v1(45.95,25.15) 42.95,28.15 42.95,38.9 44.7,40.65 44.7,44.65 v1(45.95,45.9) ; JP7.2 v1(26.45,21.15) ; SW20.S2 75.95,34.4 SW20.C
  Bottom w0.25: v1(45.95,45.9) 46.7,46.65 46.7,65.92 40.28,72.34 29.95,72.34 29.18,71.57 U1.6 ; v1(26.45,21.15) 30.45,25.15 45.95,25.15 v1(45.95,25.15) 47.64,26.84 53.45,26.84 55,25.29 60.84,25.29 65.97,20.15 75.95,20.15 ; 75.95,20.15 SW20.C ; 75.95,20.15 79.99,20.15 84.2,24.36 84.2,26.96 D2.2 D10.2
ROW RECV 1: length 52
  Top w0.25: 25.95,35.4 21.02,35.4 20.7,35.08 20.7,26.4 18.95,24.65 JP4.1
  Bottom w0.25: 22.49,65.94 22.49,63.05 29.2,56.34 29.2,38.15 26.45,35.4
Net-(D1-K): length 148
  Top w0.25: SW1.2 24.03,49.88 SW1.2 40.42,52.36 v1(40.46,52.39) ; v1(88.95,59.4) 88.01,60.34 68.14,60.34 64.49,56.69 44.75,56.69 v1(44.71,56.64) ; D1.1 106.2,21.84 106.2,28.9 v1(104.95,30.15)
  Bottom w0.25: SW1.2 13.87,49.88 SW1.2 14.66,53.15 17.35,53.15 18.1,52.4 19.8,52.4 20.55,53.15 23.24,53.15 SW1.2 ; v1(104.95,30.15) 100.02,35.08 100.02,36.39 103.45,39.81 103.45,55.94 100.74,58.65 89.7,58.65 v1(88.95,59.4) ; v1(40.46,52.39) v1(44.71,56.64)
Net-(D2-K): length 100.2
  Top w0.25: SW2.2 22.6,5.92 22.6,11.83 34.18,23.4 39.96,23.4 41.4,24.84 44.66,24.84 46.1,23.4 50.45,23.4 52.95,25.9 58.7,25.9 60.14,27.34 63.86,27.34 64.45,26.75 64.45,23.11 67.66,19.9 84.45,19.9 85.14,20.59 D2.1
  Bottom w0.25: SW2.2 12.79,7.2 SW2.2 14.1,8.95 17.93,8.95 19.25,10.27 SW2.2
Net-(D3-K): length 117.1
  Top w0.25: v1(83.95,77.9) 82.45,79.4 64.33,79.4 61.12,76.19 49.95,76.19 48.72,77.42 46.47,77.42 SW3.2 43.03,78.38 SW3.2 ; D3.1 84.2,32.34 84.2,41.65 v1(82.95,42.9)
  Bottom w0.25: SW3.2 32.87,78.38 SW3.2 33.66,81.65 36.35,81.65 37.1,80.9 38.8,80.9 39.55,81.65 42.24,81.65 SW3.2 ; v1(83.95,77.9) 84.45,77.4 84.45,44.4 v1(82.95,42.9)
Net-(D4-K): length 132.2
  Top w0.25: v1(101.2,35.9) 97.2,31.9 97.2,30.48 95.2,28.48 95.2,21.84 D4.1 ; SW4.2 43.03,59.38 SW4.2 47.7,57.19 62.49,57.19 66.99,61.69 88.98,61.69 92.52,58.15 100.95,58.15 v1(101.95,59.15)
  Bottom w0.25: SW4.2 32.87,59.38 SW4.2 33.66,62.65 36.35,62.65 37.1,61.9 38.8,61.9 39.55,62.65 42.24,62.65 SW4.2 ; v1(101.95,59.15) 104.49,56.61 104.49,39.19 v1(101.2,35.9)
Net-(D5-K): length 139.1
  Top w0.25: D5.1 108.7,21.84 108.7,28.65 107.95,29.4 106.74,29.4 105.95,30.19 v1(105.95,31.15) ; SW5.2 43.03,40.38 SW5.2 43.03,45.27 53.95,56.19 63.91,56.19 v1(64.45,55.65) ; v1(88.95,60.4) 88.51,60.84 67.39,60.84 v1(64.45,57.9)
  Bottom w0.25: v1(105.95,31.15) 104.99,31.15 100.52,35.62 100.52,36.18 103.95,39.61 103.95,56.15 100.95,59.15 90.2,59.15 v1(88.95,60.4) ; v1(64.45,55.65) v1(64.45,57.9) ; SW5.2 42.24,43.65 39.55,43.65 38.93,43.03 36.97,43.03 36.35,43.65 33.66,43.65 SW5.2 32.87,40.38 SW5.2
Net-(D6-K): length 79.9
  Top w0.25: SW6.2 43.03,11.88 43.03,15.25 53.18,25.4 58.95,25.4 60.39,26.84 63.66,26.84 63.95,26.55 63.95,22.9 67.45,19.4 86.76,19.4 D6.1
  Bottom w0.25: SW6.2 42.29,15.1 39.5,15.1 38.8,14.4 37.1,14.4 36.35,15.15 33.66,15.15 SW6.2 32.87,11.88 SW6.2
Net-(D7-K): length 97.4
  Top w0.25: SW7.2 62.03,80.38 SW7.2 64.99,79.9 82.95,79.9 v1(84.95,77.9) ; v1(83.95,42.9) 86.7,40.15 86.7,32.34 D7.1
  Bottom w0.25: v1(83.95,42.9) 84.95,43.9 v1(84.95,77.9) ; SW7.2 61.24,83.65 58.55,83.65 57.8,82.9 56.1,82.9 55.35,83.65 52.66,83.65 SW7.2 51.87,80.38 SW7.2
Net-(D8-K): length 110.5
  Top w0.25: D8.1 97.7,21.84 97.7,31.4 v1(102.2,35.9) ; SW8.2 62.03,61.38 SW8.2 63.7,62.19 89.19,62.19 92.73,58.65 99.2,58.65 99.45,58.9 99.45,58.94 100.41,59.9 102.2,59.9 v1(102.95,59.15)
  Bottom w0.25: SW8.2 51.87,61.38 SW8.2 52.66,64.65 55.35,64.65 56.1,63.9 57.8,63.9 58.55,64.65 61.24,64.65 SW8.2 ; v1(102.2,35.9) 104.99,38.69 104.99,57.11 v1(102.95,59.15)
Net-(D9-K): length 123.2
  Top w0.25: 78.64,53.06 78.63,53.08 ; 78.64,53.06 81.7,53.06 ; 78.64,53.06 78.63,53.08 ; 78.64,53.06 84.11,53.06 v1(88.95,57.9) ; 78.63,53.08 76.93,54.77 74.97,54.77 72.6,52.4 69.57,52.4 SW9.2 62.03,42.38 SW9.2 ; D9.1 111.2,21.84 111.2,28.65 109.7,30.15 v1(106.95,30.15) ; 81.7,53.06 81.81,53.06 ; 81.7,53.06 83.61,53.06
  Bottom w0.25: v1(88.95,57.9) 100.78,57.9 102.95,55.73 102.95,40.02 99.52,36.59 99.52,34.9 ; 99.52,34.9 99.52,34.62 104.67,29.47 106.27,29.47 v1(106.95,30.15) ; 99.52,34.9 99.52,34.87 ; SW9.2 61.24,45.65 58.55,45.65 57.8,44.9 56.1,44.9 55.35,45.65 52.66,45.65 SW9.2 51.87,42.38 SW9.2
Net-(D10-K): length 57.2
  Top w0.25: SW10.2 62.03,13.88 SW10.2
  Bottom w0.25: SW10.2 51.87,13.88 SW10.2 52.66,17.15 55.35,17.15 56.1,16.4 57.8,16.4 58.55,17.15 61.24,17.15 SW10.2 65.32,19.65 80.2,19.65 84.25,23.7 88.8,23.7 90.45,22.05 D10.1
Net-(D11-A): length 74.3
  Top w0.25: SW11.1 80.97,96.69 SW11.1 ; SW11.1 78.49,92.59 85.95,85.13 v1(85.95,77.9) ; SW11.1 SW11.1 ; v1(84.95,42.9) 88.07,39.78 89.38,39.78 D11.2
  Bottom w0.25: SW11.1 70.93,96.69 SW11.1 ; v1(85.95,77.9) 85.45,77.4 85.45,43.4 v1(84.95,42.9)
Net-(D12-A): length 80.6
  Top w0.25: SW12.1 80.97,77.69 SW12.1 ; v1(103.2,35.9) 98.95,31.65 D12.2 ; SW12.1 SW12.1 ; SW12.1 78.49,73.59 92.89,59.19 98.99,59.19 100.2,60.4 102.7,60.4 v1(103.95,59.15)
  Bottom w0.25: v1(103.95,59.15) 105.49,57.61 105.49,38.19 v1(103.2,35.9) ; SW12.1 70.93,77.69 SW12.1
Net-(D13-A): length 97.7
  Top w0.25: D13.2 116.2,26.96 116.2,25.5 117.11,24.6 121,24.6 121.95,25.55 121.95,46.25 120.86,47.34 102.47,47.34 101.91,47.9 101.91,57.09 101.35,57.65 92.31,57.65 91.31,58.65 80.93,58.65 SW13.1 ; SW13.1 SW13.1 ; SW13.1 80.97,58.69 SW13.1
  Bottom w0.25: SW13.1 70.93,58.69 SW13.1
Net-(D14-A): length 71.9
  Top w0.25: v1(85.95,42.9) 88.56,40.29 91.37,40.29 D14.2 ; v1(86.95,77.9) 86.95,84.37 92.41,89.83 SW14.1 SW14.1 99.97,93.69 SW14.1
  Bottom w0.25: SW14.1 89.93,93.69 SW14.1 ; v1(85.95,42.9) 85.95,76.9 v1(86.95,77.9)
Net-(D15-A): length 61.6
  Top w0.25: SW15.1 99.97,74.69 SW15.1 ; SW15.1 97.49,70.59 104.95,63.13 v1(104.95,59.15) ; SW15.1 SW15.1 ; v1(104.2,35.9) 101.45,33.15 D15.2
  Bottom w0.25: SW15.1 89.93,74.69 SW15.1 ; v1(104.2,35.9) 105.99,37.69 105.99,58.11 v1(104.95,59.15)
Net-(D16-A): length 66.8
  Top w0.25: SW16.1 99.97,55.69 SW16.1 ; D16.2 118.7,26.96 118.7,25.5 119.1,25.1 120.8,25.1 121.45,25.75 121.45,46.05 120.66,46.84 102.26,46.84 97.49,51.61 SW16.1 ; SW16.1 SW16.1
  Bottom w0.25: SW16.1 89.93,55.69 SW16.1
Net-(D17-A): length 83.4
  Top w0.25: v1(87.95,77.9) 98.83,77.9 102.24,81.32 110.8,81.32 SW17.1 SW17.1 118.97,83.19 SW17.1 ; D17.2 93.37,40.79 89.06,40.79 v1(86.95,42.9)
  Bottom w0.25: v1(87.95,77.9) 86.45,76.4 86.45,43.4 v1(86.95,42.9) ; SW17.1 108.93,83.19 SW17.1
Net-(D18-A): length 52.2
  Top w0.25: D18.2 103.95,34.65 v1(105.2,35.9) ; SW18.1 118.97,64.19 SW18.1 SW18.1 111.41,60.33 109.65,58.56 106.54,58.56 v1(105.95,59.15)
  Bottom w0.25: v1(105.95,59.15) 106.49,58.61 106.49,37.19 v1(105.2,35.9) ; SW18.1 108.93,64.19 SW18.1
Net-(D19-A): length 29
  Top w0.25: D19.2 120.95,29.21 120.95,36.87 116.49,41.33 SW19.1 ; SW19.1 118.97,45.19 SW19.1 ; SW19.1 SW19.1
  Bottom w0.25: SW19.1 108.93,45.19 SW19.1
Net-(D++1-K): length 21.1
  Bottom w0.25: SW20.S1 74.45,32.9 63.8,32.9 62.7,31.8 62.7,30.34 D++1.1
Net-(D++2-K): length 12.3
  Top w0.25: SW20.A 68.2,27.65 65.39,27.65 D++2.1
Net-(D++3-K): length 26.9
  Bottom w0.25: SW20.B 80.45,22.4 81.95,23.9 81.95,26.65 80.95,27.65 78.95,27.65 74.2,32.4 69.5,32.4 68.95,31.85 68.95,30.53 67.51,29.09 D++3.1

## Copper pours and planes (outline as drawn; the poured copper is in the pictures)
GND on Top, Bottom: -1.05,104.4 131.95,104.9 132.45,-2.6 -0.55,-1.85

## Text on the board
B.Fab: Kailh_socket_MX_optional_reversible-MIRROR
B.Silkscreen: Press B not N | Left Side | KeeNoard
F.Silkscreen: SW20 | Right Side | Jump When AUX Side | Press B not N | KeeNoard
